# Altium PCB HRADC_Board_v2_0.PcbDoc (part 1 of 4) (continued)
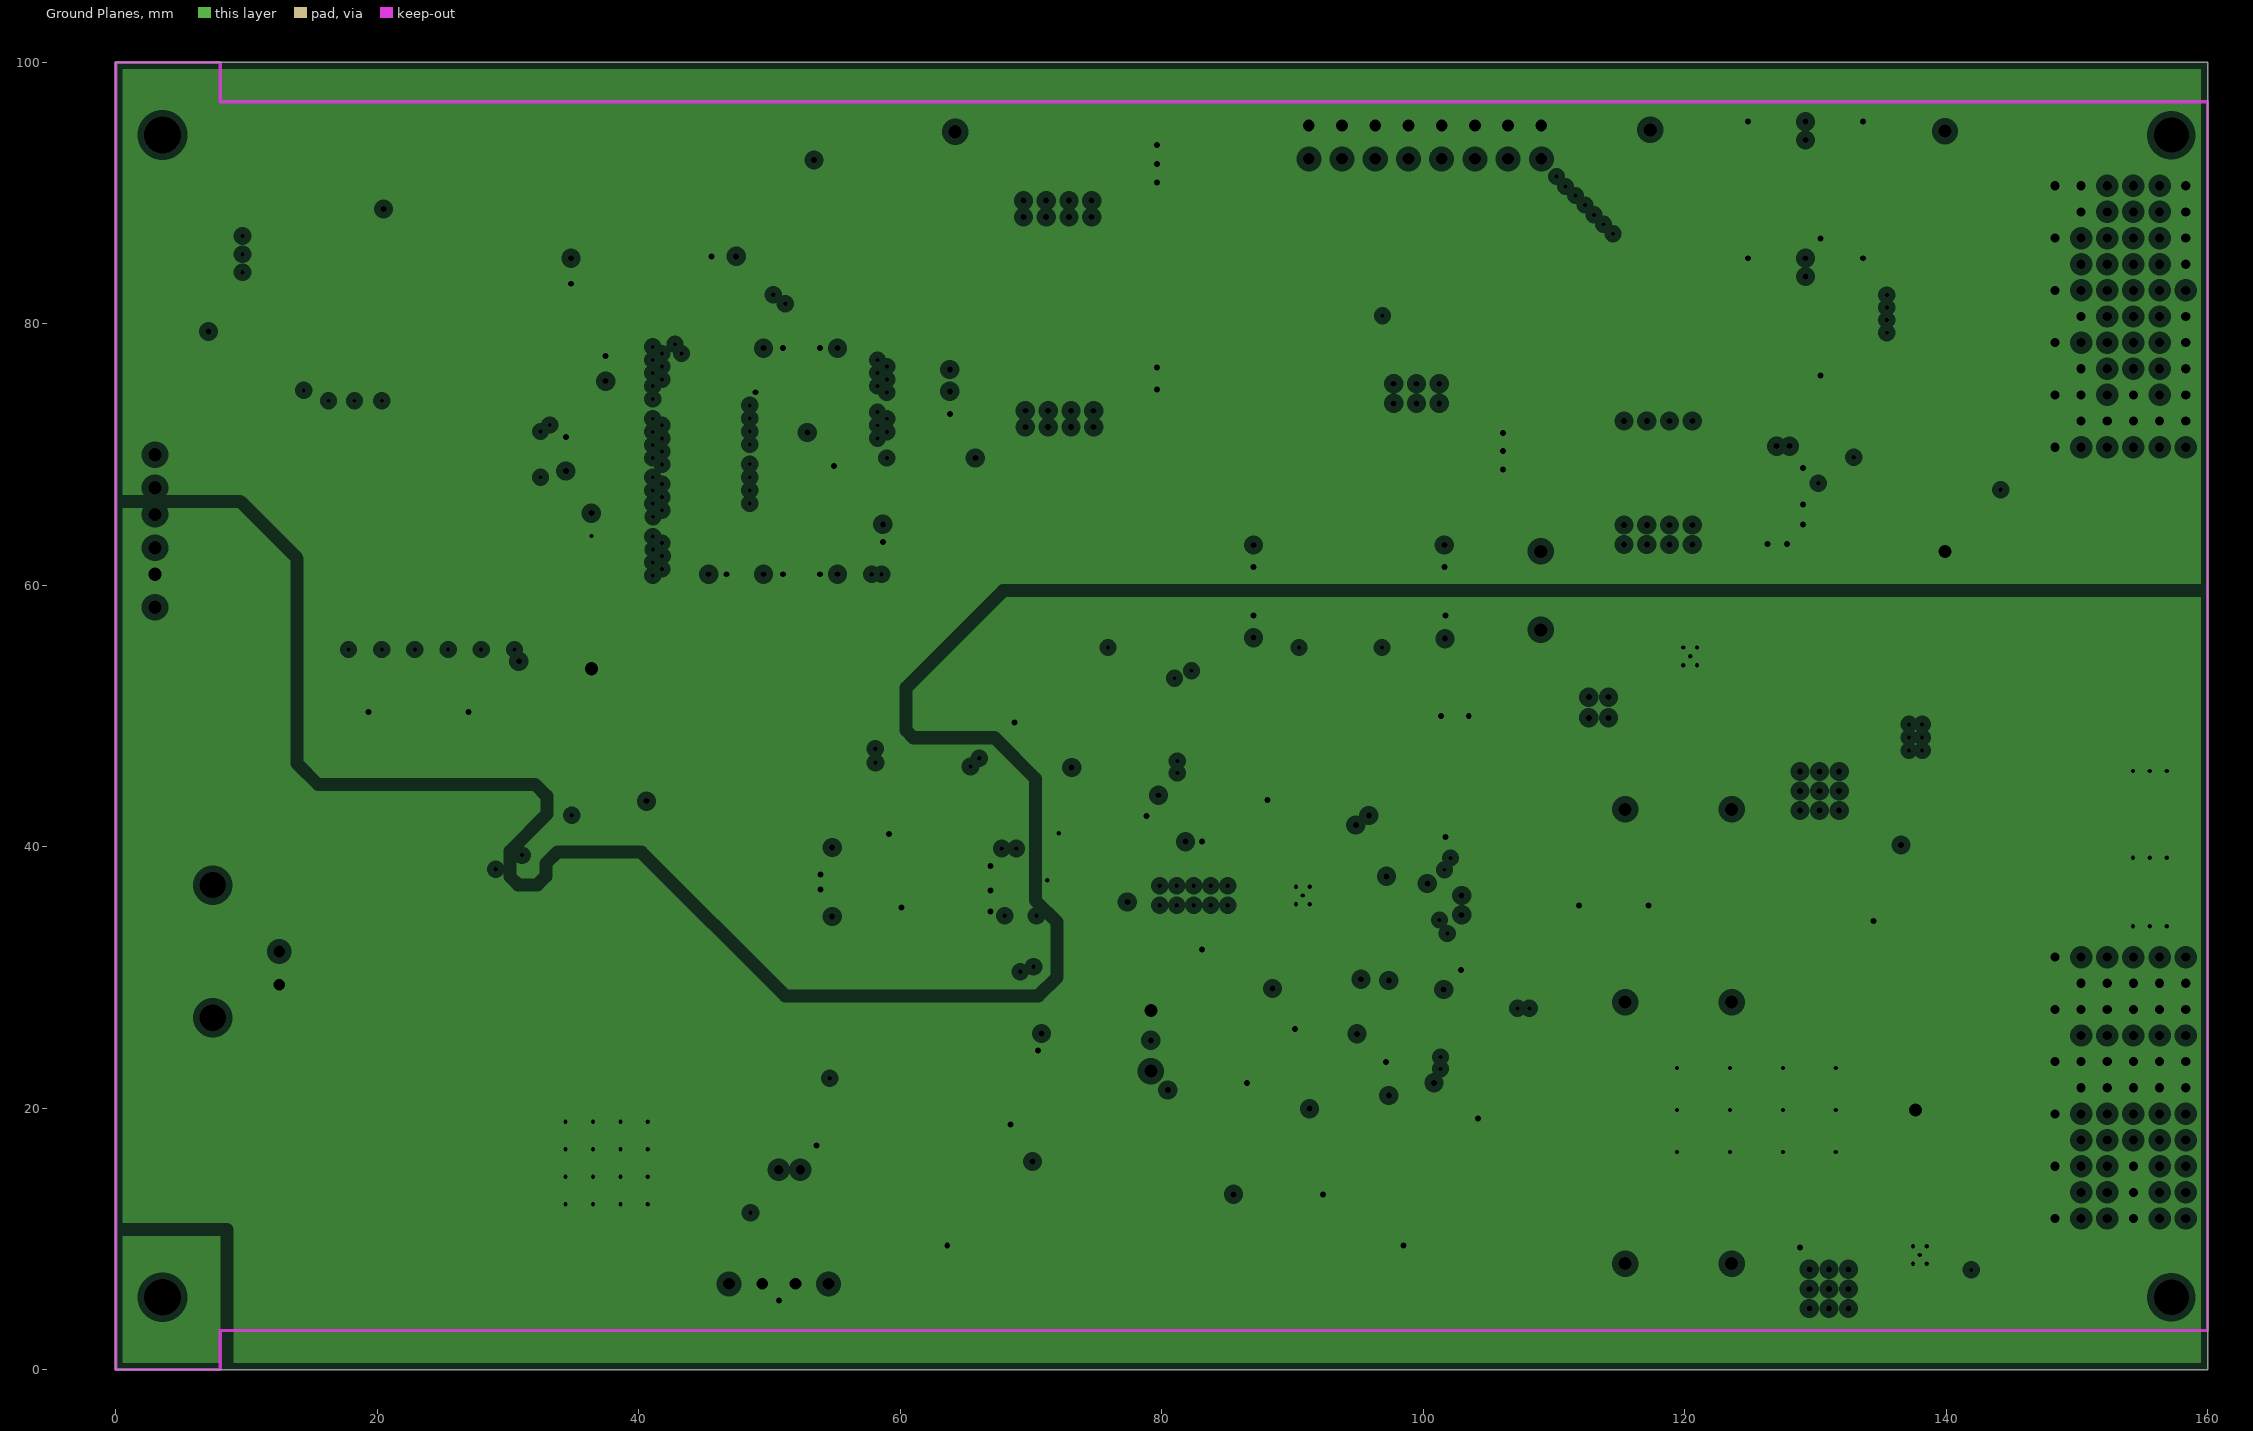
[diagram p3: Ground Planes, clearances drawn from the general rule]
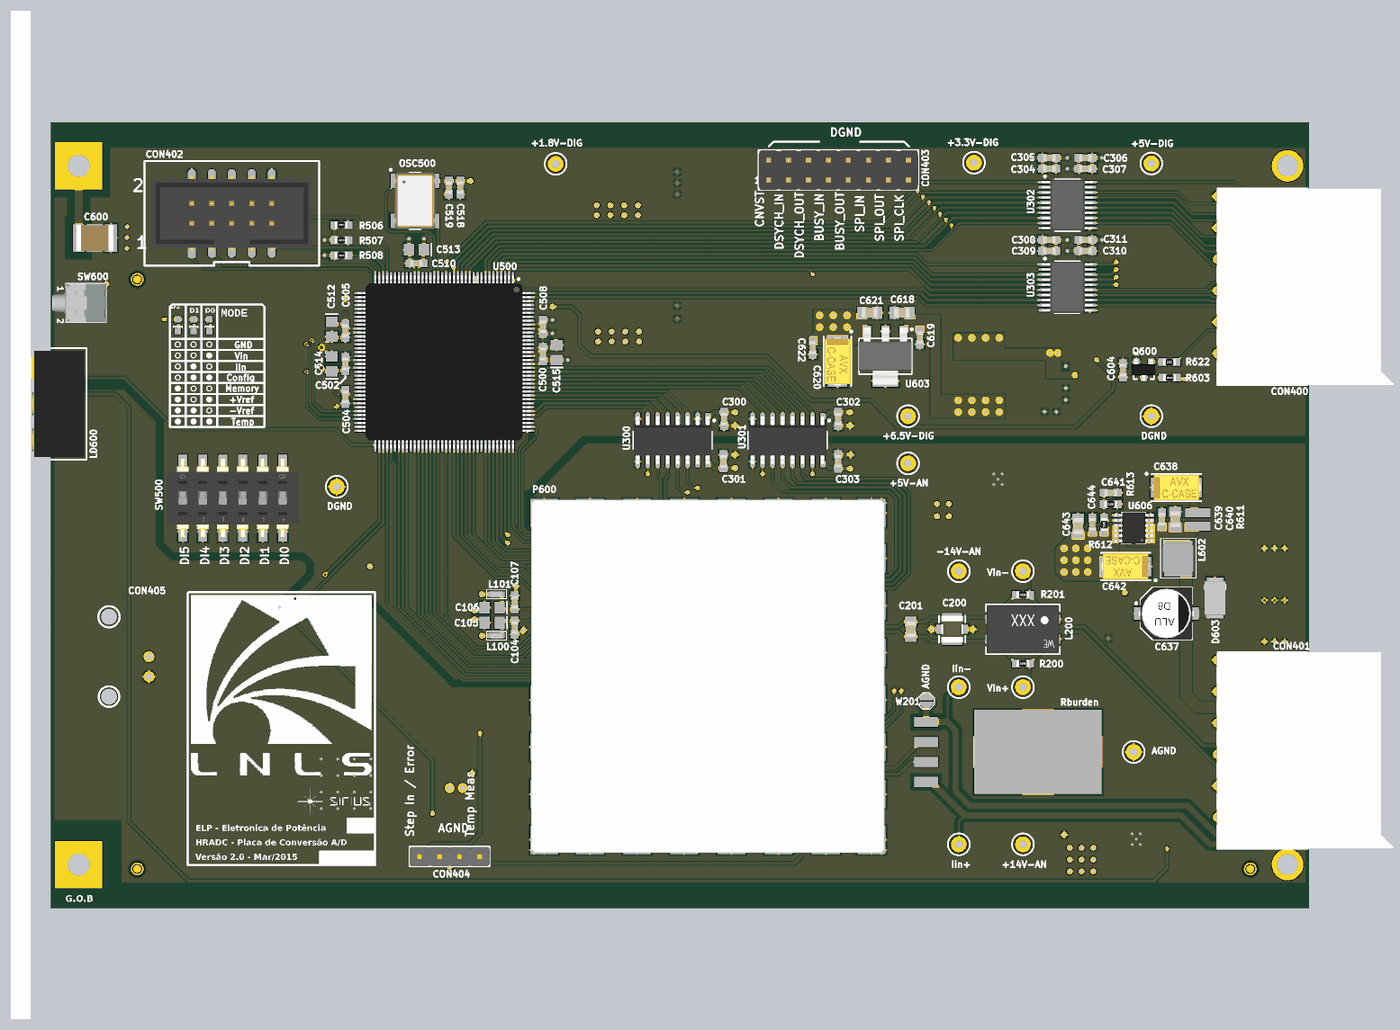
[diagram p7: 3D render of the assembled board from above, using the file's embedded part models]
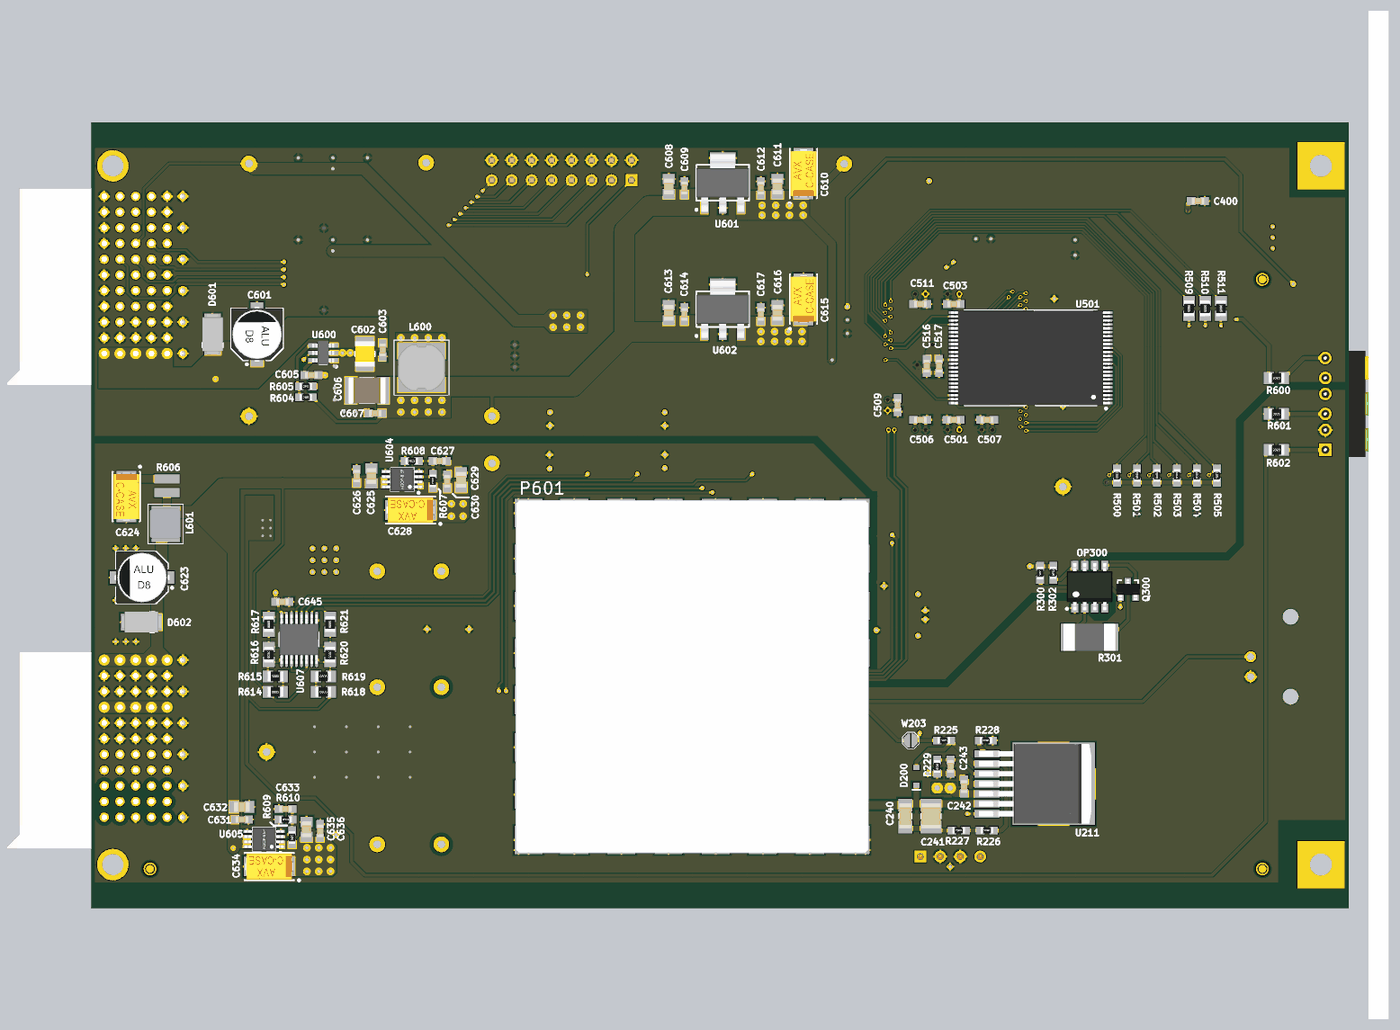
[diagram p8: 3D render of the assembled board from below, using the file's embedded part models]

## Layer stack, top to bottom
Top Layer: signal copper 0.0356
Dielectric: core 0.32, FR-4, Dk 4.8
Power Plane: plane copper 0.0356, net (Multiple Nets)
Dielectric: prepreg 0.32, FR-4, Dk 4.8
Ground Planes: plane copper 0.0356, net (Multiple Nets)
Dielectric: core 0.32, FR-4, Dk 4.8
Bottom Layer: signal copper 0.0356

## Board outline
0,0 160,0 160,100 0,100

## Design rules (kind name [scope] priority, off if disabled: settings)
Clearance Clearance_AGND_DGND [(InNet('AGND') AND NOT InComponent('W600')) vs (InNet('DGND') AND NOT InComponent('W600'))] p1: gap=1
Clearance Clearance_DGND_AGND [(InNet('DGND') AND NOT InComponent('W600')) vs (InNet('AGND') AND NOT InComponent('W600'))] p2: gap=1
Clearance Clearance_BoardSupplies [(InNet('-15V-AN') AND InNet('-15V-AN_FILT') AND InNet('+15V-AN') AND InNet('+15V-AN_FILT') AND InNet('+15V-DIG'))] p3: gap=0.3
Clearance Clearance_Heater [InNet('NetC240_2')] p4: gap=0.3
Clearance Clearance_Chassis_Pad [((IsPad AND (HoleDiameter = 2.8)) OR InNet('NetC600_2')) vs InNet('DGND')] p5: gap=1
Clearance Clearance_Iin_GND [(InNet('HRADC_IIN_P') OR InNet('HRADC_IIN_N')) vs (InNet('AGND') AND NOT InComponent('W201'))] p6: gap=0.5
Clearance Clearance_Iin [InNet('HRADC_IIN_P') vs InNet('HRADC_IIN_N')] p7: gap=0.5
Clearance [All] p8: gap=0.127
ComponentClearance ComponentClearance_CHASSIS [InComponent('CHASSIS') vs (InComponent('LD600') OR InComponent('CON405'))] p1: gap=0 collisioncheckmode=3 verticalgap=0 showdistances=FALSE
ComponentClearance [All] p2: gap=0.254 collisioncheckmode=3 verticalgap=0.254 showdistances=FALSE
DiffPairsRouting [All] p1: maxlimit=0.254 minlimit=0.254 mostfreqgap=0.254 maxuncoupledlength=12.7
HoleSize [All] p1: absolutevalues=TRUE maxlimit=3 minlimit=0.025 maxpercent=80.000 minpercent=20.000
MinimumSolderMaskSliver [All] p1: minsoldermaskwidth=0.203
PlaneClearance [All] p1: clearance=0.508
PlaneConnect PlaneConnect_PowerVias [(WithinRoom('Room_OPA547_Vcc_Vias') OR WithinRoom('Room_PowerVias_LDO_14V_AN') OR WithinRoom('Room_PowerVias_LDO_n14V_AN') OR WithinRoom('Room_PowerVias_LDO_5V_AN') OR WithinRoom('Room_PowerVias_LDO_5V_DIG') OR WithinRoom('Room_PowerVias_LDO_3V3_DIG') OR WithinRoom('Room_PowerVias_LDO_1V8_DIG'))] p1: planeconnectstyle=Direct reliefexpansion=0.508 reliefentries=4 reliefconductorwidth=0.254 reliefairgap=0.254
PlaneConnect PlaneConnect_ThermalVias [(WithinRoom('Room_ThermalPad_FDA') OR WithinRoom('Room_ThermalPad_RN') OR WithinRoom('Room_ThermalPad_LDO_14V_AN') OR WithinRoom('Room_ThermalPad_LDO_5V_AN') OR WithinRoom('Room_ThermalPad_OPA547') OR WithinRoom('Room_ThermalPad_Rburden'))] p2: planeconnectstyle=Direct reliefexpansion=0.508 reliefentries=4 reliefconductorwidth=0.254 reliefairgap=0.254
PlaneConnect [All] p3: planeconnectstyle=Relief reliefexpansion=0.508 reliefentries=4 reliefconductorwidth=0.254 reliefairgap=0.254
PolygonConnect PolygonConnect_AGND_DGND_Connection [(InComponent('W600') OR InComponent('D600')) vs (InNet('AGND') OR InNet('DGND'))] p1: connectstyle=Direct reliefconductorwidth=0.508 reliefentries=4 polygonreliefangle="45 Angle" airgapwidth=0.254
PolygonConnect PolygonConnect_Rburden_Pad [InComponent('Rburden') vs InNet('AGND')] p2: connectstyle=Relief reliefconductorwidth=4 reliefentries=4 polygonreliefangle="90 Angle" airgapwidth=0.254
PolygonConnect PolygonConnect_OPA547_Pad [InComponent('U211') vs InNet('AGND')] p3: connectstyle=Relief reliefconductorwidth=4 reliefentries=4 polygonreliefangle="90 Angle" airgapwidth=0.254
PolygonConnect PolygonConnect_Rburden_Jumper [InComponent('W201') vs InNet('AGND')] p4: connectstyle=Direct reliefconductorwidth=0.254 reliefentries=4 polygonreliefangle="90 Angle" airgapwidth=0.254
PolygonConnect PolygonConnect_ThermalVias [(WithinRoom('Room_ThermalPad_FDA') OR WithinRoom('Room_ThermalPad_RN') OR WithinRoom('Room_ThermalPad_LDO_14V_AN') OR WithinRoom('Room_ThermalPad_LDO_5V_AN') OR WithinRoom('Room_ThermalPad_OPA547') OR WithinRoom('Room_ThermalPad_Rburden'))] p5: connectstyle=Direct reliefconductorwidth=0.254 reliefentries=4 polygonreliefangle="90 Angle" airgapwidth=0.254
PolygonConnect [All] p6: connectstyle=Relief reliefconductorwidth=0.254 reliefentries=4 polygonreliefangle="90 Angle" airgapwidth=0.254
RoomDefinition Room_ThermalPad_OPA547 [IsVia] p1: confinementstyle=ConfineIn formatcopy=TRUE lockcomponents=FALSE outline 33.15,20.025 41.75,20.025 41.75,11.65 33.15,11.65
RoomDefinition Room_ThermalPad_Rburden [IsVia] p2: confinementstyle=ConfineIn formatcopy=TRUE lockcomponents=FALSE outline 118.075,24.05 132.875,24.05 132.875,15.6 118.075,15.6
RoomDefinition Room_PowerVias_LDO_1V8_DIG [IsVia] p3: confinementstyle=ConfineIn formatcopy=TRUE lockcomponents=FALSE outline 68.65,87.585 75.625,87.585 75.625,90.225 68.65,90.225
RoomDefinition Room_PowerVias_LDO_3V3_DIG [IsVia] p4: confinementstyle=ConfineIn formatcopy=TRUE lockcomponents=FALSE outline 68.875,71.5 75.575,71.5 75.575,74.075 68.875,74.075
RoomDefinition Room_PowerVias_LDO_5V_DIG [IsVia] p5: confinementstyle=ConfineIn formatcopy=TRUE lockcomponents=FALSE outline 96.95,76.1 101.95,76.1 101.95,73.25 96.95,73.25
RoomDefinition Room_PowerVias_LDO_n14V_AN [IsVia] p6: confinementstyle=ConfineIn formatcopy=TRUE lockcomponents=FALSE outline 128.225,46.325 132.475,46.325 132.475,42.212 128.225,42.212
RoomDefinition Room_PowerVias_LDO_5V_AN [IsVia] p7: confinementstyle=ConfineIn formatcopy=TRUE lockcomponents=FALSE outline 112.05,52.1 114.9,52.1 114.9,49.3 112.05,49.3
RoomDefinition Room_PowerVias_LDO_14V_AN [IsVia] p8: confinementstyle=ConfineIn formatcopy=TRUE lockcomponents=FALSE outline 128.925,8.225 133.275,8.225 133.275,4.1 128.925,4.1
RoomDefinition Room_OPA547_Vcc_Vias [IsVia] p9: confinementstyle=ConfineIn formatcopy=TRUE lockcomponents=FALSE outline 53.1,16 50,16 50,14.6 53.1,14.6
RoomDefinition Room_ThermalPad_LDO_14V_AN [IsVia] p10: confinementstyle=ConfineIn formatcopy=TRUE lockcomponents=FALSE outline 138.85,9.8 137.15,9.8 137.15,7.775 138.85,7.775
RoomDefinition Room_ThermalPad_LDO_5V_AN [IsVia] p11: confinementstyle=ConfineIn formatcopy=TRUE lockcomponents=FALSE outline 121.275,55.575 119.575,55.575 119.575,53.575 121.275,53.575
RoomDefinition Room_ThermalPad_RN [IsVia] p12: confinementstyle=ConfineIn formatcopy=TRUE lockcomponents=FALSE outline 91.638,37.275 89.95,37.275 89.95,35.275 91.638,35.275
RoomDefinition Room_ThermalPad_FDA [IsVia] p13: confinementstyle=ConfineIn formatcopy=TRUE lockcomponents=FALSE outline 85.45,37.475 78.75,37.475 78.75,35.075 85.45,35.075
RoutingVias [All] p1: holewidth=0.711 width=1.27 viastyle="Through Hole" minholewidth=0.711 minwidth=1.27 maxholewidth=0.711 maxwidth=1.27
SolderMaskExpansion [All] p1: expansion=0.102
Width [All] p1: maxlimit=3 minlimit=0.203 preferedwidth=0.381 minimp=50.000000 maximp=50.000000 favimp=50.000000
22 further rules are at their usual default settings.

## Classes and differential pairs
component class HRADC_PowerSupplies: C600 C601 C602 C603 C604 C605 C606 C607 C608 C609 C610 C611 C612 C613 C614 C615 C616 C617 C618 C619 C620 C621 C622 C623 C624 C625 C626 C627 C628 C629 C630 C631 C632 C633 C634 C635 C636 C637 C638 C639 C640 C641 C642 C643 C644 C645 CHASSIS D600 D601 D602 D603 FD600 FD601 FD602 FD603 FD604 FD605 L600 L601 L602 LD600 P600 P601 PT600 PT601 PT602 PT603 PT604 PT605 PT606 PT607 PT609 Q600 R600 R601 R602 R603 R604 R605 R606 R607 R608 R609 R610 R611 R612 R613 R614 R615 R616 R617 R618 R619 R620 R621 R622 SW600 U600 U601 U602 U603 U604 U605 U606 U607 W600
component class HRADC_ControlLogic: C500 C501 C502 C503 C504 C505 C506 C507 C508 C509 C510 C511 C512 C513 C514 C515 C516 C517 C518 C519 LD500 LD501 LD502 OSC500 R500 R501 R502 R503 R504 R505 R506 R507 R508 R509 R510 R511 SW500 U500 U501
component class HRADC_Connectors: C400 CON400 CON401 CON402 CON403 CON404 CON405
component class HRADC_Buffers_n_Isolators: C300 C301 C302 C303 C304 C305 C306 C307 C308 C309 C310 C311 OP300 Q300 R300 R301 R302 U300 U301 U302 U303
component class HRADC_AnalogCircuits: C200 C201 C202 C203 C204 C205 C206 C207 C208 C209 C210 C211 C212 C213 C214 C215 C216 C217 C218 C219 C220 C221 C222 C223 C224 C225 C226 C227 C228 C229 C230 C231 C232 C233 C234 C235 C236 C237 C238 C239 C240 C241 C242 C243 D200 L200 PT200 PT201 PT202 PT203 R200 R201 R202 R203 R204 R205 R206 R207 R208 R209 R210 R211 R212 R213 R214 R215 R216 R217 R218 R219 R220 R221 R222 R223 R224 R225 R226 R227 R228 R229 R230 R231 R232 R233 R234 R235 R236 R237 R238 R239 R240 R241 Rburden RN200 TR200 U200 U201 U202 U203 U204 U205 U206 U207 U208 U209 U210 U211 W200 W201 W202 W203
component class HRADC_ADC: C100 C101 C102 C103 C104 C105 C106 C107 C108 C109 C110 C111 C112 C113 L100 L101 PT100 PT101 PT102 PT103 U100
differential pair VIN: +VIN_P -VIN_N
differential pair HRADC_VIN: +HRADC_VIN_P -HRADC_VIN_N
differential pair HRADC_IIN: +HRADC_IIN_P -HRADC_IIN_N
differential pair ADC_IN: +ADC_IN_P -ADC_IN_N

## Components (designator, comment, footprint, x,y, rotation, side; value= is the part's Value field where it differs from the comment)
C100 "Cap_Tant_R" CAP_TANT_R 75.545,46.5 r0 top
C101 "Cap_Ceram_0603" CAP_CERAM_0603#1 72.85,43.669 r270 top
C102 "Cap_Tant_R" CAP_TANT_R 75.545,44.519 r0 top
C103 "Cap_Ceram_0603" CAP_CERAM_0603#1 75.433,42.819 r180 top
C104 "Cap_Ceram_0603" CAP_CERAM_0603#1 59,35.7 r270 top
C105 "Cap_Tant_R" CAP_TANT_R 56.125,36.325 r180 top
C106 "Cap_Tant_R" CAP_TANT_R 56.125,38.25 r180 top
C107 "Cap_Ceram_0603" CAP_CERAM_0603#1 59,38.925 r270 top
C108 "Cap_Tant_B_J_lead" CAP_TANT_B_J_LEAD 75.185,37.525 r180 bottom
C109 "Cap_Ceram_0603" CAP_CERAM_0603#1 77.351,33.771 r90 top
C110 "Cap_Tant_B_J_lead" CAP_TANT_B_J_LEAD 75.285,40.925 r0 bottom
C111 "Cap_Ceram_0603" CAP_CERAM_0603#1 77.351,38.782 r90 top
C112 "Cap_Tant_B_J_lead" CAP_TANT_B_J_LEAD 74.55,27 r0 top
C113 "Cap_Ceram_0603" CAP_CERAM_0603#1 74.025,29.2 r180 top
C200 "Cap_X2Y_1210" CAP_X2Y_1210 114.6,35.5 r90 top
C201 "Cap_Ceram_0805" CAP_CERAM_0805 109.35,35.5 r270 top
C202 "Cap_Ceram_0603" CAP_CERAM_0603#1 91.9,17.49 r90 top
C203 "Cap_Tant_B_J_lead" CAP_TANT_B_J_LEAD 89.3,16.64 r270 top
C204 "Cap_Ceram_0603" CAP_CERAM_0603#1 102.875,20.88 r180 top
C205 "Cap_Tant_B_J_lead" CAP_TANT_B_J_LEAD 98.57,17.625 r90 bottom
C206 "Cap_Ceram_0603" CAP_CERAM_0603#1 91.675,27.225 r270 bottom
C207 "Cap_Ceram_0603" CAP_CERAM_0603#1 100.5,27.425 r90 bottom
C208 "Cap_Ceram_0603" CAP_CERAM_0603#1 100.55,39.75 r90 bottom
C209 "Cap_Ceram_0603" CAP_CERAM_0603#1 91.575,40.1 r270 bottom
C210 "Cap_Ceram_0603" CAP_CERAM_0603#1 93.4,29.025 r270 top
C211 "Cap_Tant_B_J_lead" CAP_TANT_B_J_LEAD 90.175,25.325 r180 top
C212 "Cap_Ceram_0603" CAP_CERAM_0603#1 97.981,25.307 r180 top
C213 "Cap_Tant_B_J_lead" CAP_TANT_B_J_LEAD 101.35,29.15 r270 top
C214 "Cap_Ceram_0603" CAP_CERAM_0603#1 101.51,42.325 r0 top
C215 "Cap_Tant_B_J_lead" CAP_TANT_B_J_LEAD 101.775,46.45 r90 top
C216 "Cap_Ceram_0603" CAP_CERAM_0603#1 96.25,46.5 r0 top
C217 "Cap_Tant_B_J_lead" CAP_TANT_B_J_LEAD 96.8,48.925 r180 top
C218 "Cap_Ceram_0805" CAP_CERAM_0805 82.45,30.575 r180 top
C219 "Cap_Ceram_0805" CAP_CERAM_0805 82.45,41.975 r180 top
C220 "Cap_Ceram_0603" CAP_CERAM_0603#1 86.375,36.3 r270 top
C221 "Cap_Ceram_0603" CAP_CERAM_0603#1 82.51,39.121 r0 bottom
C222 "Cap_Tant_B_J_lead" CAP_TANT_B_J_LEAD 83.515,42.45 r0 bottom
C223 "Cap_Ceram_0603" CAP_CERAM_0603#1 83.275,34.325 r0 bottom
C224 "Cap_Tant_B_J_lead" CAP_TANT_B_J_LEAD 83.085,32.14 r180 bottom
C225 "Cap_Ceram_0805" CAP_CERAM_0805 75.679,32.821 r90 top
C226 "Cap_Ceram_0805" CAP_CERAM_0805 75.679,39.729 r90 top
C227 "Cap_Ceram_0603" CAP_CERAM_0603#1 72.775,24.425 r180 bottom
C228 "Cap_Ceram_0603" CAP_CERAM_0603#1 76.775,23.575 r270 bottom
C229 "Cap_Ceram_0603" CAP_CERAM_0603#1 78.175,31.025 r270 bottom
C230 "Cap_Tant_B_J_lead" CAP_TANT_B_J_LEAD 82.05,11.64 r0 top
C231 "Cap_Ceram_0805" CAP_CERAM_0805 80.35,18.76 r270 top
C232 "Cap_Tant_B_J_lead" CAP_TANT_B_J_LEAD 68.07,13.81 r180 top
C233 "Cap_Ceram_0805" CAP_CERAM_0805 68.82,11.19 r0 top
C234 "Cap_Ceram_0805" CAP_CERAM_0805 75.2,21.825 r180 top
C235 "Cap_Ceram_0603" CAP_CERAM_0603#1 69.27,17.375 r180 top
C236 "Cap_Ceram_0603" CAP_CERAM_0603#1 88.775,16.375 r180 bottom
C237 "Cap_Ceram_0603" CAP_CERAM_0603#1 87.1,28.65 r90 bottom
C238 "Cap_Ceram_0603" CAP_CERAM_0603#1 85.525,14.656 r0 bottom
C239 "Cap_Ceram_0603" CAP_CERAM_0603#1 76.1,20.45 r180 bottom
C240 "Cap_Ceram_1206" CAP_CERAM_1206 56.42,11.729 r90 bottom
C241 "Cap_Ceram_1210" CAP_CERAM_1210 53.17,11.729 r90 bottom
C242 "Cap_Ceram_0603" CAP_CERAM_0603#1 48.945,15.48 r270 bottom
C243 "Cap_Ceram_0603" CAP_CERAM_0603#1 50.67,18.02 r90 bottom
C300 "Cap_Ceram_0603" CAP_CERAM_0603#1 85.6,62.25 r270 top
C301 "Cap_Ceram_0603" CAP_CERAM_0603#1 85.52,56.85 r270 top
C302 "Cap_Ceram_0603" CAP_CERAM_0603#1 100.12,62.25 r270 top
C303 "Cap_Ceram_0603" CAP_CERAM_0603#2 100.12,56.865 r270 top
C304 "Cap_Ceram_0603" CAP_CERAM_0603#1 126.95,94.075 r0 top
C305 "Cap_Ceram_0603" CAP_CERAM_0603#1 126.95,95.475 r0 top
C306 "Cap_Ceram_0603" CAP_CERAM_0603#1 131.55,95.475 r180 top
C307 "Cap_Ceram_0603" CAP_CERAM_0603#1 131.55,94.075 r0 top
C308 "Cap_Ceram_0603" CAP_CERAM_0603#1 126.95,85.025 r0 top
C309 "Cap_Ceram_0603" CAP_CERAM_0603#1 126.95,83.625 r0 top
C310 "Cap_Ceram_0603" CAP_CERAM_0603#1 131.55,83.625 r180 top
C311 "Cap_Ceram_0603" CAP_CERAM_0603#1 131.55,85.025 r0 top
C400 "Cap_Ceram_0603" CAP_CERAM_0603#1 19.2,89.985 r0 bottom
C500 "Cap_Ceram_0603" CAP_CERAM_0603#1 62.575,70.5 r270 top
C501 "Cap_Ceram_0603" CAP_CERAM_0603#1 50.275,62.125 r180 bottom
C502 "Cap_Ceram_0603" CAP_CERAM_0603#1 37.475,69.25 r270 top
C503 "Cap_Ceram_0603" CAP_CERAM_0603#1 50.27,76.875 r180 bottom
C504 "Cap_Ceram_0603" CAP_CERAM_0603#1 37.475,65.05 r90 top
C505 "Cap_Ceram_0603" CAP_CERAM_0603#1 37.475,73.475 r90 top
C506 "Cap_Ceram_0603" CAP_CERAM_0603#1 54.525,62.125 r0 bottom
C507 "Cap_Ceram_0603" CAP_CERAM_0603#1 46.025,62.125 r180 bottom
C508 "Cap_Ceram_0603" CAP_CERAM_0603#1 62.575,73.975 r90 top
C509 "Cap_Ceram_0603" CAP_CERAM_0603#1 57.4,64 r90 bottom
C510 "Cap_Ceram_0603" CAP_CERAM_0603#1 46.5,82.05 r0 top
C511 "Cap_Ceram_0603" CAP_CERAM_0603#1 54.525,76.875 r0 bottom
C512 "Cap_Tant_R" CAP_TANT_R 35.725,73.675 r270 top
C513 "Cap_Tant_R" CAP_TANT_R 46.5,83.8 r180 top
C514 "Cap_Tant_R" CAP_TANT_R 35.725,69.25 r90 top
C515 "Cap_Tant_R" CAP_TANT_R 64.325,70.7 r90 top
C516 "Cap_Ceram_0603" CAP_CERAM_0603#1 53.7,68.975 r270 bottom
C517 "Cap_Ceram_0603" CAP_CERAM_0603#1 52.125,68.975 r90 bottom
C518 "Cap_Ceram_0603" CAP_CERAM_0603#1 52.07,91.69 r90 top
C519 "Cap_Ceram_0603" CAP_CERAM_0603#1 50.645,91.69 r270 top
C600 "Cap_Ceram_1808" CAP_CERAM_1812 5.62,85.275 r180 top
C601 "Cap_Alum_D8" CAP_ALUM_D8 138.895,73.025 r90 bottom
C602 "Cap_Ceram_1210_TALL" CAP_CERAM_1210_TALL 125.175,70.537 r270 bottom
C603 "Cap_Ceram_0603" CAP_CERAM_0603#1 122.92,71.025 r270 bottom
C604 "Cap_Ceram_0603" CAP_CERAM_0603#1 136.305,68.45 r270 top
C605 "Cap_Ceram_0603" CAP_CERAM_0603#1 131.974,67.825 r0 bottom
C606 "Cap_Ceram_1812" CAP_CERAM_1812 124.9,65.875 r180 bottom
C607 "Cap_Ceram_0603" CAP_CERAM_0603#1 123.85,62.975 r0 bottom
C608 "Cap_Ceram_0805" CAP_CERAM_0805 86.525,91.825 r270 bottom
C609 "Cap_Ceram_0603" CAP_CERAM_0603#1 84.525,91.625 r270 bottom
C610 "Cap_Tant_C_J_lead" CAP_TANT_C_J_LEAD#1 69.375,93.475 r90 bottom
C611 "Cap_Ceram_0805" CAP_CERAM_0805 72.7,91.825 r270 bottom
C612 "Cap_Ceram_0603" CAP_CERAM_0603#1 74.8,91.625 r270 bottom
C613 "Cap_Ceram_0805" CAP_CERAM_0805 86.525,75.76 r270 bottom
C614 "Cap_Ceram_0603" CAP_CERAM_0603#1 84.525,75.56 r270 bottom
C615 "Cap_Tant_C_J_lead" CAP_TANT_C_J_LEAD#2 69.375,77.5 r90 bottom
C616 "Cap_Ceram_0805" CAP_CERAM_0805 72.7,75.76 r270 bottom
C617 "Cap_Ceram_0603" CAP_CERAM_0603#1 74.8,75.56 r270 bottom
C618 "Cap_Ceram_0805" CAP_CERAM_0805 108.225,75.75 r0 top
C619 "Cap_Ceram_0603" CAP_CERAM_0603#1 110.5,72.601 r90 top
C620 "Cap_Tant_C_J_lead" CAP_TANT_C_J_LEAD#1 100.025,69.575 r270 top
C621 "Cap_Ceram_0805" CAP_CERAM_0805 104.125,75.75 r180 top
C622 "Cap_Ceram_0603" CAP_CERAM_0603#1 96.875,71.3 r90 top
C623 "Cap_Alum_D8" CAP_ALUM_D8 153.525,42.075 r0 bottom
C624 "Cap_Tant_C_J_lead" CAP_TANT_C_J_LEAD#1 155.525,52.375 r270 bottom
C625 "Cap_Ceram_0805" CAP_CERAM_0805 124.35,55 r270 bottom